# KiCad board temp sensor_panel.kicad_pcb (continued)
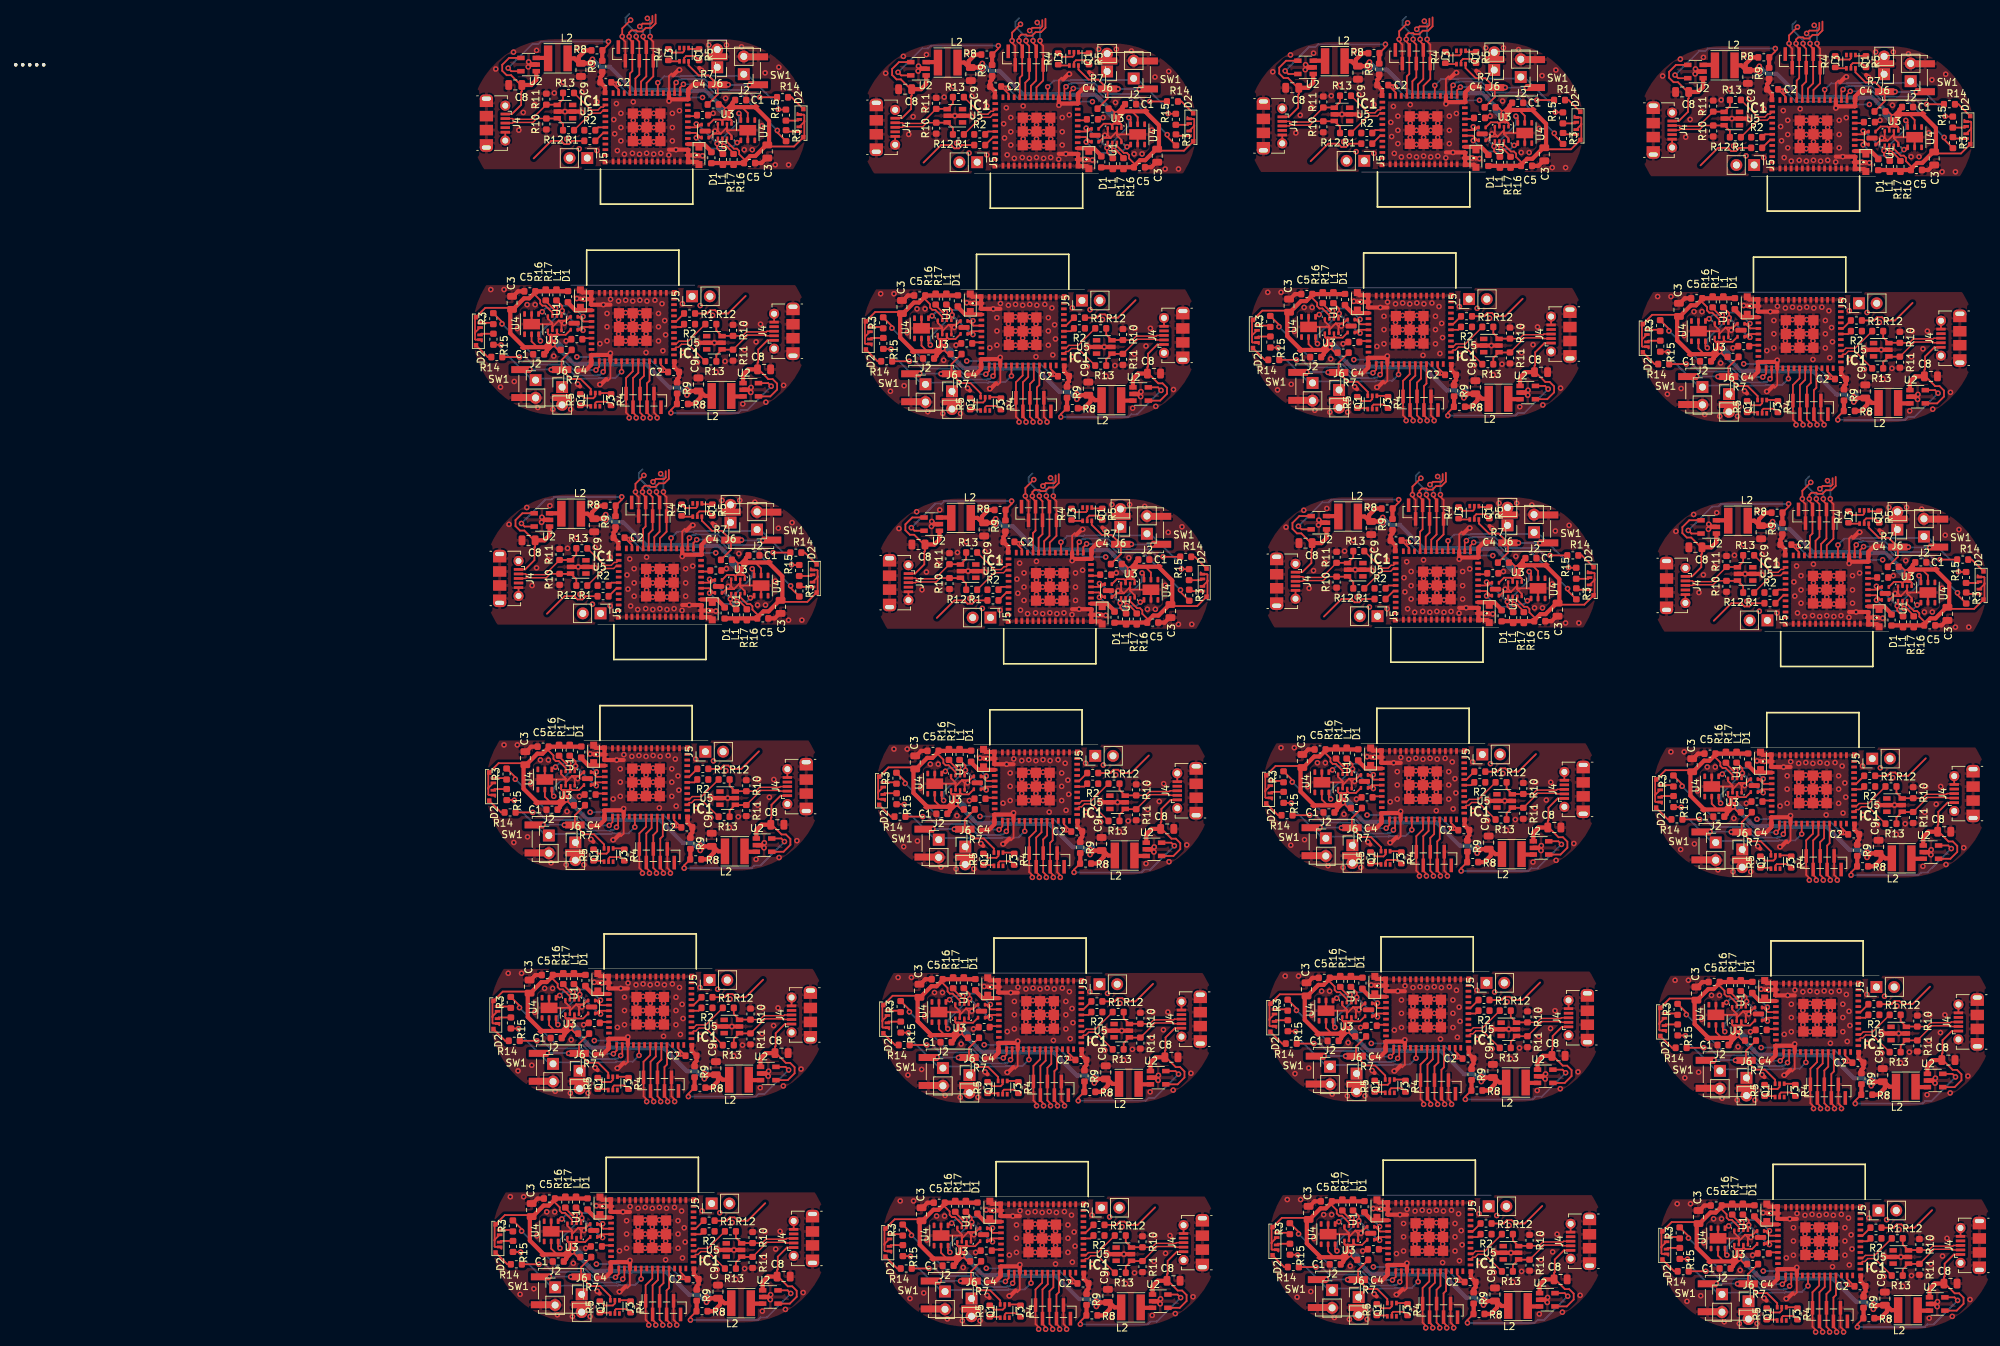
[diagram p0: board, top side]
## Nets (continued)
/Boot_Option: C2.1 C2#2.1 C2#3.1 C2#4.1 C2#5.1 C2#6.1 C2#7.1 C2#8.1 C2#9.1 C2#10.1 C2#11.1 C2#12.1 C2#13.1 C2#14.1 C2#15.1 C2#16.1 C2#17.1 C2#18.1 C2#19.1 C2#20.1 C2#21.1 C2#22.1 C2#23.1 C2#24.1 IC1.23 IC1#2.23 IC1#3.23 IC1#4.23 IC1#5.23 IC1#6.23 IC1#7.23 IC1#8.23 IC1#9.23 IC1#10.23 IC1#11.23 IC1#12.23 IC1#13.23 IC1#14.23 IC1#15.23 IC1#16.23 IC1#17.23 IC1#18.23 IC1#19.23 IC1#20.23 IC1#21.23 IC1#22.23 IC1#23.23 IC1#24.23 Q1.3 Q1#2.3 Q1#3.3 Q1#4.3 Q1#5.3 Q1#6.3 Q1#7.3 Q1#8.3 Q1#9.3 Q1#10.3 Q1#11.3 Q1#12.3 Q1#13.3 Q1#14.3 Q1#15.3 Q1#16.3 Q1#17.3 Q1#18.3 Q1#19.3 Q1#20.3 Q1#21.3 Q1#22.3 Q1#23.3 Q1#24.3
/D+: J4.3 J4#2.3 J4#3.3 J4#4.3 J4#5.3 J4#6.3 J4#7.3 J4#8.3 J4#9.3 J4#10.3 J4#11.3 J4#12.3 J4#13.3 J4#14.3 J4#15.3 J4#16.3 J4#17.3 J4#18.3 J4#19.3 J4#20.3 J4#21.3 J4#22.3 J4#23.3 J4#24.3 R10.1 R10#2.1 R10#3.1 R10#4.1 R10#5.1 R10#6.1 R10#7.1 R10#8.1 R10#9.1 R10#10.1 R10#11.1 R10#12.1 R10#13.1 R10#14.1 R10#15.1 R10#16.1 R10#17.1 R10#18.1 R10#19.1 R10#20.1 R10#21.1 R10#22.1 R10#23.1 R10#24.1 R12.1 R12#2.1 R12#3.1 R12#4.1 R12#5.1 R12#6.1 R12#7.1 R12#8.1 R12#9.1 R12#10.1 R12#11.1 R12#12.1 R12#13.1 R12#14.1 R12#15.1 R12#16.1 R12#17.1 R12#18.1 R12#19.1 R12#20.1 R12#21.1 R12#22.1 R12#23.1 R12#24.1 U5.6 U5#2.6 U5#3.6 U5#4.6 U5#5.6 U5#6.6 U5#7.6 U5#8.6 U5#9.6 U5#10.6 U5#11.6 U5#12.6 U5#13.6 U5#14.6 U5#15.6 U5#16.6 U5#17.6 U5#18.6 U5#19.6 U5#20.6 U5#21.6 U5#22.6 U5#23.6 U5#24.6
/D-: J4.2 J4#2.2 J4#3.2 J4#4.2 J4#5.2 J4#6.2 J4#7.2 J4#8.2 J4#9.2 J4#10.2 J4#11.2 J4#12.2 J4#13.2 J4#14.2 J4#15.2 J4#16.2 J4#17.2 J4#18.2 J4#19.2 J4#20.2 J4#21.2 J4#22.2 J4#23.2 J4#24.2 R11.2 R11#2.2 R11#3.2 R11#4.2 R11#5.2 R11#6.2 R11#7.2 R11#8.2 R11#9.2 R11#10.2 R11#11.2 R11#12.2 R11#13.2 R11#14.2 R11#15.2 R11#16.2 R11#17.2 R11#18.2 R11#19.2 R11#20.2 R11#21.2 R11#22.2 R11#23.2 R11#24.2 R13.1 R13#2.1 R13#3.1 R13#4.1 R13#5.1 R13#6.1 R13#7.1 R13#8.1 R13#9.1 R13#10.1 R13#11.1 R13#12.1 R13#13.1 R13#14.1 R13#15.1 R13#16.1 R13#17.1 R13#18.1 R13#19.1 R13#20.1 R13#21.1 R13#22.1 R13#23.1 R13#24.1 U5.4 U5#2.4 U5#3.4 U5#4.4 U5#5.4 U5#6.4 U5#7.4 U5#8.4 U5#9.4 U5#10.4 U5#11.4 U5#12.4 U5#13.4 U5#14.4 U5#15.4 U5#16.4 U5#17.4 U5#18.4 U5#19.4 U5#20.4 U5#21.4 U5#22.4 U5#23.4 U5#24.4
/DTR: J6.1 J6#2.1 J6#3.1 J6#4.1 J6#5.1 J6#6.1 J6#7.1 J6#8.1 J6#9.1 J6#10.1 J6#11.1 J6#12.1 J6#13.1 J6#14.1 J6#15.1 J6#16.1 J6#17.1 J6#18.1 J6#19.1 J6#20.1 J6#21.1 J6#22.1 J6#23.1 J6#24.1 Q1.4 Q1#2.4 Q1#3.4 Q1#4.4 Q1#5.4 Q1#6.4 Q1#7.4 Q1#8.4 Q1#9.4 Q1#10.4 Q1#11.4 Q1#12.4 Q1#13.4 Q1#14.4 Q1#15.4 Q1#16.4 Q1#17.4 Q1#18.4 Q1#19.4 Q1#20.4 Q1#21.4 Q1#22.4 Q1#23.4 Q1#24.4 R4.1 R4#2.1 R4#3.1 R4#4.1 R4#5.1 R4#6.1 R4#7.1 R4#8.1 R4#9.1 R4#10.1 R4#11.1 R4#12.1 R4#13.1 R4#14.1 R4#15.1 R4#16.1 R4#17.1 R4#18.1 R4#19.1 R4#20.1 R4#21.1 R4#22.1 R4#23.1 R4#24.1
/EN: C4.2 C4#2.2 C4#3.2 C4#4.2 C4#5.2 C4#6.2 C4#7.2 C4#8.2 C4#9.2 C4#10.2 C4#11.2 C4#12.2 C4#13.2 C4#14.2 C4#15.2 C4#16.2 C4#17.2 C4#18.2 C4#19.2 C4#20.2 C4#21.2 C4#22.2 C4#23.2 C4#24.2 IC1.8 IC1#2.8 IC1#3.8 IC1#4.8 IC1#5.8 IC1#6.8 IC1#7.8 IC1#8.8 IC1#9.8 IC1#10.8 IC1#11.8 IC1#12.8 IC1#13.8 IC1#14.8 IC1#15.8 IC1#16.8 IC1#17.8 IC1#18.8 IC1#19.8 IC1#20.8 IC1#21.8 IC1#22.8 IC1#23.8 IC1#24.8 Q1.6 Q1#2.6 Q1#3.6 Q1#4.6 Q1#5.6 Q1#6.6 Q1#7.6 Q1#8.6 Q1#9.6 Q1#10.6 Q1#11.6 Q1#12.6 Q1#13.6 Q1#14.6 Q1#15.6 Q1#16.6 Q1#17.6 Q1#18.6 Q1#19.6 Q1#20.6 Q1#21.6 Q1#22.6 Q1#23.6 Q1#24.6 R7.1 R7#2.1 R7#3.1 R7#4.1 R7#5.1 R7#6.1 R7#7.1 R7#8.1 R7#9.1 R7#10.1 R7#11.1 R7#12.1 R7#13.1 R7#14.1 R7#15.1 R7#16.1 R7#17.1 R7#18.1 R7#19.1 R7#20.1 R7#21.1 R7#22.1 R7#23.1 R7#24.1 SW1.2 SW1#2.2 SW1#3.2 SW1#4.2 SW1#5.2 SW1#6.2 SW1#7.2 SW1#8.2 SW1#9.2 SW1#10.2 SW1#11.2 SW1#12.2 SW1#13.2 SW1#14.2 SW1#15.2 SW1#16.2 SW1#17.2 SW1#18.2 SW1#19.2 SW1#20.2 SW1#21.2 SW1#22.2 SW1#23.2 SW1#24.2
/I37_pico: IC1.5 IC1#2.5 IC1#3.5 IC1#4.5 IC1#5.5 IC1#6.5 IC1#7.5 IC1#8.5 IC1#9.5 IC1#10.5 IC1#11.5 IC1#12.5 IC1#13.5 IC1#14.5 IC1#15.5 IC1#16.5 IC1#17.5 IC1#18.5 IC1#19.5 IC1#20.5 IC1#21.5 IC1#22.5 IC1#23.5 IC1#24.5 R16.1 R16#2.1 R16#3.1 R16#4.1 R16#5.1 R16#6.1 R16#7.1 R16#8.1 R16#9.1 R16#10.1 R16#11.1 R16#12.1 R16#13.1 R16#14.1 R16#15.1 R16#16.1 R16#17.1 R16#18.1 R16#19.1 R16#20.1 R16#21.1 R16#22.1 R16#23.1 R16#24.1 U1.3 U1#2.3 U1#3.3 U1#4.3 U1#5.3 U1#6.3 U1#7.3 U1#8.3 U1#9.3 U1#10.3 U1#11.3 U1#12.3 U1#13.3 U1#14.3 U1#15.3 U1#16.3 U1#17.3 U1#18.3 U1#19.3 U1#20.3 U1#21.3 U1#22.3 U1#23.3 U1#24.3 U3.3 U3#2.3 U3#3.3 U3#4.3 U3#5.3 U3#6.3 U3#7.3 U3#8.3 U3#9.3 U3#10.3 U3#11.3 U3#12.3 U3#13.3 U3#14.3 U3#15.3 U3#16.3 U3#17.3 U3#18.3 U3#19.3 U3#20.3 U3#21.3 U3#22.3 U3#23.3 U3#24.3 U4.1 U4#2.1 U4#3.1 U4#4.1 U4#5.1 U4#6.1 U4#7.1 U4#8.1 U4#9.1 U4#10.1 U4#11.1 U4#12.1 U4#13.1 U4#14.1 U4#15.1 U4#16.1 U4#17.1 U4#18.1 U4#19.1 U4#20.1 U4#21.1 U4#22.1 U4#23.1 U4#24.1
/I38_pico: IC1.6 IC1#2.6 IC1#3.6 IC1#4.6 IC1#5.6 IC1#6.6 IC1#7.6 IC1#8.6 IC1#9.6 IC1#10.6 IC1#11.6 IC1#12.6 IC1#13.6 IC1#14.6 IC1#15.6 IC1#16.6 IC1#17.6 IC1#18.6 IC1#19.6 IC1#20.6 IC1#21.6 IC1#22.6 IC1#23.6 IC1#24.6 R17.1 R17#2.1 R17#3.1 R17#4.1 R17#5.1 R17#6.1 R17#7.1 R17#8.1 R17#9.1 R17#10.1 R17#11.1 R17#12.1 R17#13.1 R17#14.1 R17#15.1 R17#16.1 R17#17.1 R17#18.1 R17#19.1 R17#20.1 R17#21.1 R17#22.1 R17#23.1 R17#24.1 U1.2 U1#2.2 U1#3.2 U1#4.2 U1#5.2 U1#6.2 U1#7.2 U1#8.2 U1#9.2 U1#10.2 U1#11.2 U1#12.2 U1#13.2 U1#14.2 U1#15.2 U1#16.2 U1#17.2 U1#18.2 U1#19.2 U1#20.2 U1#21.2 U1#22.2 U1#23.2 U1#24.2 U3.4 U3#2.4 U3#3.4 U3#4.4 U3#5.4 U3#6.4 U3#7.4 U3#8.4 U3#9.4 U3#10.4 U3#11.4 U3#12.4 U3#13.4 U3#14.4 U3#15.4 U3#16.4 U3#17.4 U3#18.4 U3#19.4 U3#20.4 U3#21.4 U3#22.4 U3#23.4 U3#24.4 U4.6 U4#2.6 U4#3.6 U4#4.6 U4#5.6 U4#6.6 U4#7.6 U4#8.6 U4#9.6 U4#10.6 U4#11.6 U4#12.6 U4#13.6 U4#14.6 U4#15.6 U4#16.6 U4#17.6 U4#18.6 U4#19.6 U4#20.6 U4#21.6 U4#22.6 U4#23.6 U4#24.6
/IO7_pico: IC1.27 IC1#2.27 IC1#3.27 IC1#4.27 IC1#5.27 IC1#6.27 IC1#7.27 IC1#8.27 IC1#9.27 IC1#10.27 IC1#11.27 IC1#12.27 IC1#13.27 IC1#14.27 IC1#15.27 IC1#16.27 IC1#17.27 IC1#18.27 IC1#19.27 IC1#20.27 IC1#21.27 IC1#22.27 IC1#23.27 IC1#24.27 R12.2 R12#2.2 R12#3.2 R12#4.2 R12#5.2 R12#6.2 R12#7.2 R12#8.2 R12#9.2 R12#10.2 R12#11.2 R12#12.2 R12#13.2 R12#14.2 R12#15.2 R12#16.2 R12#17.2 R12#18.2 R12#19.2 R12#20.2 R12#21.2 R12#22.2 R12#23.2 R12#24.2
/IO12_pico: IC1.19 IC1#2.19 IC1#3.19 IC1#4.19 IC1#5.19 IC1#6.19 IC1#7.19 IC1#8.19 IC1#9.19 IC1#10.19 IC1#11.19 IC1#12.19 IC1#13.19 IC1#14.19 IC1#15.19 IC1#16.19 IC1#17.19 IC1#18.19 IC1#19.19 IC1#20.19 IC1#21.19 IC1#22.19 IC1#23.19 IC1#24.19 J3.2 J3#2.2 J3#3.2 J3#4.2 J3#5.2 J3#6.2 J3#7.2 J3#8.2 J3#9.2 J3#10.2 J3#11.2 J3#12.2 J3#13.2 J3#14.2 J3#15.2 J3#16.2 J3#17.2 J3#18.2 J3#19.2 J3#20.2 J3#21.2 J3#22.2 J3#23.2 J3#24.2
/IO13_pico: IC1.20 IC1#2.20 IC1#3.20 IC1#4.20 IC1#5.20 IC1#6.20 IC1#7.20 IC1#8.20 IC1#9.20 IC1#10.20 IC1#11.20 IC1#12.20 IC1#13.20 IC1#14.20 IC1#15.20 IC1#16.20 IC1#17.20 IC1#18.20 IC1#19.20 IC1#20.20 IC1#21.20 IC1#22.20 IC1#23.20 IC1#24.20 J3.3 J3#2.3 J3#3.3 J3#4.3 J3#5.3 J3#6.3 J3#7.3 J3#8.3 J3#9.3 J3#10.3 J3#11.3 J3#12.3 J3#13.3 J3#14.3 J3#15.3 J3#16.3 J3#17.3 J3#18.3 J3#19.3 J3#20.3 J3#21.3 J3#22.3 J3#23.3 J3#24.3
/IO14_pico: IC1.18 IC1#2.18 IC1#3.18 IC1#4.18 IC1#5.18 IC1#6.18 IC1#7.18 IC1#8.18 IC1#9.18 IC1#10.18 IC1#11.18 IC1#12.18 IC1#13.18 IC1#14.18 IC1#15.18 IC1#16.18 IC1#17.18 IC1#18.18 IC1#19.18 IC1#20.18 IC1#21.18 IC1#22.18 IC1#23.18 IC1#24.18 J3.1 J3#2.1 J3#3.1 J3#4.1 J3#5.1 J3#6.1 J3#7.1 J3#8.1 J3#9.1 J3#10.1 J3#11.1 J3#12.1 J3#13.1 J3#14.1 J3#15.1 J3#16.1 J3#17.1 J3#18.1 J3#19.1 J3#20.1 J3#21.1 J3#22.1 J3#23.1 J3#24.1
/IO15_pico: IC1.21 IC1#2.21 IC1#3.21 IC1#4.21 IC1#5.21 IC1#6.21 IC1#7.21 IC1#8.21 IC1#9.21 IC1#10.21 IC1#11.21 IC1#12.21 IC1#13.21 IC1#14.21 IC1#15.21 IC1#16.21 IC1#17.21 IC1#18.21 IC1#19.21 IC1#20.21 IC1#21.21 IC1#22.21 IC1#23.21 IC1#24.21 J3.4 J3#2.4 J3#3.4 J3#4.4 J3#5.4 J3#6.4 J3#7.4 J3#8.4 J3#9.4 J3#10.4 J3#11.4 J3#12.4 J3#13.4 J3#14.4 J3#15.4 J3#16.4 J3#17.4 J3#18.4 J3#19.4 J3#20.4 J3#21.4 J3#22.4 J3#23.4 J3#24.4
/IO20_pico: IC1.26 IC1#2.26 IC1#3.26 IC1#4.26 IC1#5.26 IC1#6.26 IC1#7.26 IC1#8.26 IC1#9.26 IC1#10.26 IC1#11.26 IC1#12.26 IC1#13.26 IC1#14.26 IC1#15.26 IC1#16.26 IC1#17.26 IC1#18.26 IC1#19.26 IC1#20.26 IC1#21.26 IC1#22.26 IC1#23.26 IC1#24.26 R13.2 R13#2.2 R13#3.2 R13#4.2 R13#5.2 R13#6.2 R13#7.2 R13#8.2 R13#9.2 R13#10.2 R13#11.2 R13#12.2 R13#13.2 R13#14.2 R13#15.2 R13#16.2 R13#17.2 R13#18.2 R13#19.2 R13#20.2 R13#21.2 R13#22.2 R13#23.2 R13#24.2
/IO26_pico: IC1.16 IC1#2.16 IC1#3.16 IC1#4.16 IC1#5.16 IC1#6.16 IC1#7.16 IC1#8.16 IC1#9.16 IC1#10.16 IC1#11.16 IC1#12.16 IC1#13.16 IC1#14.16 IC1#15.16 IC1#16.16 IC1#17.16 IC1#18.16 IC1#19.16 IC1#20.16 IC1#21.16 IC1#22.16 IC1#23.16 IC1#24.16 R15.1 R15#2.1 R15#3.1 R15#4.1 R15#5.1 R15#6.1 R15#7.1 R15#8.1 R15#9.1 R15#10.1 R15#11.1 R15#12.1 R15#13.1 R15#14.1 R15#15.1 R15#16.1 R15#17.1 R15#18.1 R15#19.1 R15#20.1 R15#21.1 R15#22.1 R15#23.1 R15#24.1
/IO32_pico: IC1.12 IC1#2.12 IC1#3.12 IC1#4.12 IC1#5.12 IC1#6.12 IC1#7.12 IC1#8.12 IC1#9.12 IC1#10.12 IC1#11.12 IC1#12.12 IC1#13.12 IC1#14.12 IC1#15.12 IC1#16.12 IC1#17.12 IC1#18.12 IC1#19.12 IC1#20.12 IC1#21.12 IC1#22.12 IC1#23.12 IC1#24.12 R3.1 R3#2.1 R3#3.1 R3#4.1 R3#5.1 R3#6.1 R3#7.1 R3#8.1 R3#9.1 R3#10.1 R3#11.1 R3#12.1 R3#13.1 R3#14.1 R3#15.1 R3#16.1 R3#17.1 R3#18.1 R3#19.1 R3#20.1 R3#21.1 R3#22.1 R3#23.1 R3#24.1
/IO33_pico: IC1.13 IC1#2.13 IC1#3.13 IC1#4.13 IC1#5.13 IC1#6.13 IC1#7.13 IC1#8.13 IC1#9.13 IC1#10.13 IC1#11.13 IC1#12.13 IC1#13.13 IC1#14.13 IC1#15.13 IC1#16.13 IC1#17.13 IC1#18.13 IC1#19.13 IC1#20.13 IC1#21.13 IC1#22.13 IC1#23.13 IC1#24.13 R14.1 R14#2.1 R14#3.1 R14#4.1 R14#5.1 R14#6.1 R14#7.1 R14#8.1 R14#9.1 R14#10.1 R14#11.1 R14#12.1 R14#13.1 R14#14.1 R14#15.1 R14#16.1 R14#17.1 R14#18.1 R14#19.1 R14#20.1 R14#21.1 R14#22.1 R14#23.1 R14#24.1
/RTS: J6.2 J6#2.2 J6#3.2 J6#4.2 J6#5.2 J6#6.2 J6#7.2 J6#8.2 J6#9.2 J6#10.2 J6#11.2 J6#12.2 J6#13.2 J6#14.2 J6#15.2 J6#16.2 J6#17.2 J6#18.2 J6#19.2 J6#20.2 J6#21.2 J6#22.2 J6#23.2 J6#24.2 Q1.1 Q1#2.1 Q1#3.1 Q1#4.1 Q1#5.1 Q1#6.1 Q1#7.1 Q1#8.1 Q1#9.1 Q1#10.1 Q1#11.1 Q1#12.1 Q1#13.1 Q1#14.1 Q1#15.1 Q1#16.1 Q1#17.1 Q1#18.1 Q1#19.1 Q1#20.1 Q1#21.1 Q1#22.1 Q1#23.1 Q1#24.1 R5.1 R5#2.1 R5#3.1 R5#4.1 R5#5.1 R5#6.1 R5#7.1 R5#8.1 R5#9.1 R5#10.1 R5#11.1 R5#12.1 R5#13.1 R5#14.1 R5#15.1 R5#16.1 R5#17.1 R5#18.1 R5#19.1 R5#20.1 R5#21.1 R5#22.1 R5#23.1 R5#24.1
/RTX0: J5.2 J5#2.2 J5#3.2 J5#4.2 J5#5.2 J5#6.2 J5#7.2 J5#8.2 J5#9.2 J5#10.2 J5#11.2 J5#12.2 J5#13.2 J5#14.2 J5#15.2 J5#16.2 J5#17.2 J5#18.2 J5#19.2 J5#20.2 J5#21.2 J5#22.2 J5#23.2 J5#24.2 R2.2 R2#2.2 R2#3.2 R2#4.2 R2#5.2 R2#6.2 R2#7.2 R2#8.2 R2#9.2 R2#10.2 R2#11.2 R2#12.2 R2#13.2 R2#14.2 R2#15.2 R2#16.2 R2#17.2 R2#18.2 R2#19.2 R2#20.2 R2#21.2 R2#22.2 R2#23.2 R2#24.2
/TDX0: J5.1 J5#2.1 J5#3.1 J5#4.1 J5#5.1 J5#6.1 J5#7.1 J5#8.1 J5#9.1 J5#10.1 J5#11.1 J5#12.1 J5#13.1 J5#14.1 J5#15.1 J5#16.1 J5#17.1 J5#18.1 J5#19.1 J5#20.1 J5#21.1 J5#22.1 J5#23.1 J5#24.1 R1.2 R1#2.2 R1#3.2 R1#4.2 R1#5.2 R1#6.2 R1#7.2 R1#8.2 R1#9.2 R1#10.2 R1#11.2 R1#12.2 R1#13.2 R1#14.2 R1#15.2 R1#16.2 R1#17.2 R1#18.2 R1#19.2 R1#20.2 R1#21.2 R1#22.2 R1#23.2 R1#24.2
Net-(D2-Pad2): D2.2 D2#2.2 D2#3.2 D2#4.2 D2#5.2 D2#6.2 D2#7.2 D2#8.2 D2#9.2 D2#10.2 D2#11.2 D2#12.2 D2#13.2 D2#14.2 D2#15.2 D2#16.2 D2#17.2 D2#18.2 D2#19.2 D2#20.2 D2#21.2 D2#22.2 D2#23.2 D2#24.2 R3.2 R3#2.2 R3#3.2 R3#4.2 R3#5.2 R3#6.2 R3#7.2 R3#8.2 R3#9.2 R3#10.2 R3#11.2 R3#12.2 R3#13.2 R3#14.2 R3#15.2 R3#16.2 R3#17.2 R3#18.2 R3#19.2 R3#20.2 R3#21.2 R3#22.2 R3#23.2 R3#24.2
Net-(D2-Pad4): D2.4 D2#2.4 D2#3.4 D2#4.4 D2#5.4 D2#6.4 D2#7.4 D2#8.4 D2#9.4 D2#10.4 D2#11.4 D2#12.4 D2#13.4 D2#14.4 D2#15.4 D2#16.4 D2#17.4 D2#18.4 D2#19.4 D2#20.4 D2#21.4 D2#22.4 D2#23.4 D2#24.4 R15.2 R15#2.2 R15#3.2 R15#4.2 R15#5.2 R15#6.2 R15#7.2 R15#8.2 R15#9.2 R15#10.2 R15#11.2 R15#12.2 R15#13.2 R15#14.2 R15#15.2 R15#16.2 R15#17.2 R15#18.2 R15#19.2 R15#20.2 R15#21.2 R15#22.2 R15#23.2 R15#24.2
Net-(D2-Pad6): D2.6 D2#2.6 D2#3.6 D2#4.6 D2#5.6 D2#6.6 D2#7.6 D2#8.6 D2#9.6 D2#10.6 D2#11.6 D2#12.6 D2#13.6 D2#14.6 D2#15.6 D2#16.6 D2#17.6 D2#18.6 D2#19.6 D2#20.6 D2#21.6 D2#22.6 D2#23.6 D2#24.6 R14.2 R14#2.2 R14#3.2 R14#4.2 R14#5.2 R14#6.2 R14#7.2 R14#8.2 R14#9.2 R14#10.2 R14#11.2 R14#12.2 R14#13.2 R14#14.2 R14#15.2 R14#16.2 R14#17.2 R14#18.2 R14#19.2 R14#20.2 R14#21.2 R14#22.2 R14#23.2 R14#24.2
Net-(IC1-Pad30): IC1.30 IC1#2.30 IC1#3.30 IC1#4.30 IC1#5.30 IC1#6.30 IC1#7.30 IC1#8.30 IC1#9.30 IC1#10.30 IC1#11.30 IC1#12.30 IC1#13.30 IC1#14.30 IC1#15.30 IC1#16.30 IC1#17.30 IC1#18.30 IC1#19.30 IC1#20.30 IC1#21.30 IC1#22.30 IC1#23.30 IC1#24.30 R2.1 R2#2.1 R2#3.1 R2#4.1 R2#5.1 R2#6.1 R2#7.1 R2#8.1 R2#9.1 R2#10.1 R2#11.1 R2#12.1 R2#13.1 R2#14.1 R2#15.1 R2#16.1 R2#17.1 R2#18.1 R2#19.1 R2#20.1 R2#21.1 R2#22.1 R2#23.1 R2#24.1
Net-(IC1-Pad31): IC1.31 IC1#2.31 IC1#3.31 IC1#4.31 IC1#5.31 IC1#6.31 IC1#7.31 IC1#8.31 IC1#9.31 IC1#10.31 IC1#11.31 IC1#12.31 IC1#13.31 IC1#14.31 IC1#15.31 IC1#16.31 IC1#17.31 IC1#18.31 IC1#19.31 IC1#20.31 IC1#21.31 IC1#22.31 IC1#23.31 IC1#24.31 R1.1 R1#2.1 R1#3.1 R1#4.1 R1#5.1 R1#6.1 R1#7.1 R1#8.1 R1#9.1 R1#10.1 R1#11.1 R1#12.1 R1#13.1 R1#14.1 R1#15.1 R1#16.1 R1#17.1 R1#18.1 R1#19.1 R1#20.1 R1#21.1 R1#22.1 R1#23.1 R1#24.1
Net-(L2-Pad1): L2.1 L2#2.1 L2#3.1 L2#4.1 L2#5.1 L2#6.1 L2#7.1 L2#8.1 L2#9.1 L2#10.1 L2#11.1 L2#12.1 L2#13.1 L2#14.1 L2#15.1 L2#16.1 L2#17.1 L2#18.1 L2#19.1 L2#20.1 L2#21.1 L2#22.1 L2#23.1 L2#24.1 U2.3 U2#2.3 U2#3.3 U2#4.3 U2#5.3 U2#6.3 U2#7.3 U2#8.3 U2#9.3 U2#10.3 U2#11.3 U2#12.3 U2#13.3 U2#14.3 U2#15.3 U2#16.3 U2#17.3 U2#18.3 U2#19.3 U2#20.3 U2#21.3 U2#22.3 U2#23.3 U2#24.3
Net-(Q1-Pad2): Q1.2 Q1#2.2 Q1#3.2 Q1#4.2 Q1#5.2 Q1#6.2 Q1#7.2 Q1#8.2 Q1#9.2 Q1#10.2 Q1#11.2 Q1#12.2 Q1#13.2 Q1#14.2 Q1#15.2 Q1#16.2 Q1#17.2 Q1#18.2 Q1#19.2 Q1#20.2 Q1#21.2 Q1#22.2 Q1#23.2 Q1#24.2 R4.2 R4#2.2 R4#3.2 R4#4.2 R4#5.2 R4#6.2 R4#7.2 R4#8.2 R4#9.2 R4#10.2 R4#11.2 R4#12.2 R4#13.2 R4#14.2 R4#15.2 R4#16.2 R4#17.2 R4#18.2 R4#19.2 R4#20.2 R4#21.2 R4#22.2 R4#23.2 R4#24.2
Net-(Q1-Pad5): Q1.5 Q1#2.5 Q1#3.5 Q1#4.5 Q1#5.5 Q1#6.5 Q1#7.5 Q1#8.5 Q1#9.5 Q1#10.5 Q1#11.5 Q1#12.5 Q1#13.5 Q1#14.5 Q1#15.5 Q1#16.5 Q1#17.5 Q1#18.5 Q1#19.5 Q1#20.5 Q1#21.5 Q1#22.5 Q1#23.5 Q1#24.5 R5.2 R5#2.2 R5#3.2 R5#4.2 R5#5.2 R5#6.2 R5#7.2 R5#8.2 R5#9.2 R5#10.2 R5#11.2 R5#12.2 R5#13.2 R5#14.2 R5#15.2 R5#16.2 R5#17.2 R5#18.2 R5#19.2 R5#20.2 R5#21.2 R5#22.2 R5#23.2 R5#24.2
Net-(R8-Pad1): R8.1 R8#2.1 R8#3.1 R8#4.1 R8#5.1 R8#6.1 R8#7.1 R8#8.1 R8#9.1 R8#10.1 R8#11.1 R8#12.1 R8#13.1 R8#14.1 R8#15.1 R8#16.1 R8#17.1 R8#18.1 R8#19.1 R8#20.1 R8#21.1 R8#22.1 R8#23.1 R8#24.1 R9.2 R9#2.2 R9#3.2 R9#4.2 R9#5.2 R9#6.2 R9#7.2 R9#8.2 R9#9.2 R9#10.2 R9#11.2 R9#12.2 R9#13.2 R9#14.2 R9#15.2 R9#16.2 R9#17.2 R9#18.2 R9#19.2 R9#20.2 R9#21.2 R9#22.2 R9#23.2 R9#24.2 U2.5 U2#2.5 U2#3.5 U2#4.5 U2#5.5 U2#6.5 U2#7.5 U2#8.5 U2#9.5 U2#10.5 U2#11.5 U2#12.5 U2#13.5 U2#14.5 U2#15.5 U2#16.5 U2#17.5 U2#18.5 U2#19.5 U2#20.5 U2#21.5 U2#22.5 U2#23.5 U2#24.5

Pads without a net: IC1 4 7 9 10 15 17 22 24 25 28 29 32 33 34 35; IC1#2 4 7 9 10 15 17 22 24 25 28 29 32 33 34 35; IC1#3 4 7 9 10 15 17 22 24 25 28 29 32 33 34 35; IC1#4 4 7 9 10 15 17 22 24 25 28 29 32 33 34 35; IC1#5 4 7 9 10 15 17 22 24 25 28 29 32 33 34 35; IC1#6 4 7 9 10 15 17 22 24 25 28 29 32 33 34 35; IC1#7 4 7 9 10 15 17 22 24 25 28 29 32 33 34 35; IC1#8 4 7 9 10 15 17 22 24 25 28 29 32 33 34 35; IC1#9 4 7 9 10 15 17 22 24 25 28 29 32 33 34 35; IC1#10 4 7 9 10 15 17 22 24 25 28 29 32 33 34 35; IC1#11 4 7 9 10 15 17 22 24 25 28 29 32 33 34 35; IC1#12 4 7 9 10 15 17 22 24 25 28 29 32 33 34 35; IC1#13 4 7 9 10 15 17 22 24 25 28 29 32 33 34 35; IC1#14 4 7 9 10 15 17 22 24 25 28 29 32 33 34 35; IC1#15 4 7 9 10 15 17 22 24 25 28 29 32 33 34 35; IC1#16 4 7 9 10 15 17 22 24 25 28 29 32 33 34 35; IC1#17 4 7 9 10 15 17 22 24 25 28 29 32 33 34 35; IC1#18 4 7 9 10 15 17 22 24 25 28 29 32 33 34 35; IC1#19 4 7 9 10 15 17 22 24 25 28 29 32 33 34 35; IC1#20 4 7 9 10 15 17 22 24 25 28 29 32 33 34 35; IC1#21 4 7 9 10 15 17 22 24 25 28 29 32 33 34 35; IC1#22 4 7 9 10 15 17 22 24 25 28 29 32 33 34 35; IC1#23 4 7 9 10 15 17 22 24 25 28 29 32 33 34 35; IC1#24 4 7 9 10 15 17 22 24 25 28 29 32 33 34 35; J3 6; J3#2 6; J3#3 6; J3#4 6; J3#5 6; J3#6 6; J3#7 6; J3#8 6; J3#9 6; J3#10 6; J3#11 6; J3#12 6; J3#13 6; J3#14 6; J3#15 6; J3#16 6; J3#17 6; J3#18 6; J3#19 6; J3#20 6; J3#21 6; J3#22 6; J3#23 6; J3#24 6; J4 4; J4#2 4; J4#3 4; J4#4 4; J4#5 4; J4#6 4; J4#7 4; J4#8 4; J4#9 4; J4#10 4; J4#11 4; J4#12 4; J4#13 4; J4#14 4; J4#15 4; J4#16 4; J4#17 4; J4#18 4; J4#19 4; J4#20 4; J4#21 4; J4#22 4; J4#23 4; J4#24 4; U4 3 4; U4#2 3 4; U4#3 3 4; U4#4 3 4; U4#5 3 4; U4#6 3 4; U4#7 3 4; U4#8 3 4; U4#9 3 4; U4#10 3 4; U4#11 3 4; U4#12 3 4; U4#13 3 4; U4#14 3 4; U4#15 3 4; U4#16 3 4; U4#17 3 4; U4#18 3 4; U4#19 3 4; U4#20 3 4; U4#21 3 4; U4#22 3 4; U4#23 3 4; U4#24 3 4; U5 1 3; U5#2 1 3; U5#3 1 3; U5#4 1 3; U5#5 1 3; U5#6 1 3; U5#7 1 3; U5#8 1 3; U5#9 1 3; U5#10 1 3; U5#11 1 3; U5#12 1 3; U5#13 1 3; U5#14 1 3; U5#15 1 3; U5#16 1 3; U5#17 1 3; U5#18 1 3; U5#19 1 3; U5#20 1 3; U5#21 1 3; U5#22 1 3; U5#23 1 3; U5#24 1 3

## Via types
v1: diameter 0.8, hole 0.4, Top to Bottom, 2328 vias

## Routing (per net, layer and track width the routed paths; a pad name or vN(x,y) marks a point on that pad's centre or on a via; arc(x,y) is an arc through that point)
+3V3: length 2132.4
  Top w0.25: U4.5 -5.59,122.84 -4.67,121.92 -3.33,121.92 -2.96,122.3 -2.96,123.61 -3.26,123.91 ; -7.13,121.92 -6.69,121.92 ; U1.1 -0.72,123.79 -1.7,123.79 -1.96,124.05 -1.96,124.41 -1.96,123.91 -2.09,123.79 -3.14,123.79 -3.26,123.91 ; -3.26,123.91 U3.8 ; C3.1 -8.61,127.65 -12.21,127.65 D2.1 -13.68,126.18 -13.68,123.98 ; v1(-2.54,122.39) -1.78,121.63 R7.2 ; -5.21,129.6 -4.36,128.75 -4.36,128.27 -4.04,127.95 -3.6,127.95 -2.61,126.96 U3.2 ; -13.68,123.98 -13.68,123.16 -13.61,123.09 D2.5 -12.69,122.82 ; -13.68,123.98 -13.68,124.1 D2.3 ; 26.89,156.47 26.46,156.47 ; U4#2.5 25.35,155.55 24.43,156.47 23.1,156.47 22.72,156.1 22.72,154.78 23.02,154.48 ; U3#2.8 23.02,154.48 ; 23.02,154.48 22.9,154.6 21.85,154.6 21.72,154.48 U3#2.6 21.72,154.34 21.46,154.6 20.48,154.6 U1#2.1 ; C3#2.1 28.37,150.75 31.98,150.75 D2#2.1 33.45,152.22 33.45,154.41 ; 33.45,154.41 33.45,154.29 D2#2.3 ; 33.45,154.41 33.45,155.23 33.37,155.31 D2#2.5 32.46,155.57 ; R7#2.2 21.54,156.76 v1(22.3,156) ; U3#2.2 22.38,151.43 23.36,150.44 23.8,150.44 24.12,150.12 24.12,149.64 24.97,148.79 ; 48.67,121.32 49.11,121.32 ; U4#4.5 50.21,122.24 51.13,121.32 52.47,121.32 52.84,121.7 52.84,123.01 52.54,123.31 ; U3#4.8 52.54,123.31 ; 52.54,123.31 52.66,123.19 53.71,123.19 53.84,123.31 U3#4.6 53.84,123.45 54.1,123.19 55.08,123.19 U1#4.1 ; C3#4.1 47.19,127.05 43.59,127.05 D2#4.1 42.12,125.58 42.12,123.38 ; 42.12,123.38 42.12,123.5 D2#4.3 ; 42.12,123.38 42.12,122.56 42.19,122.49 D2#4.5 43.11,122.22 ; R7#4.2 54.02,121.03 v1(53.26,121.79) ; U3#4.2 53.19,126.36 52.2,127.35 51.76,127.35 51.44,127.67 51.44,128.15 50.59,129 ; 82.69,155.87 82.26,155.87 ; U4#3.5 81.15,154.95 80.23,155.87 78.9,155.87 78.52,155.5 78.52,154.18 78.83,153.88 ; 78.83,153.88 78.7,154 77.65,154 77.52,153.88 U3#3.6 77.52,153.74 77.26,154 76.28,154 U1#3.1 ; 78.83,153.88 78.83,153.38 ; C3#3.1 84.17,150.15 87.78,150.15 D2#3.1 89.25,151.62 89.25,153.81 ; 89.25,153.81 89.25,153.69 D2#3.3 ; 89.25,153.81 89.25,154.63 89.17,154.71 D2#3.5 88.26,154.97 ; v1(78.1,155.4) 77.34,156.16 R7#3.2 ; U3#3.2 78.17,150.83 79.16,149.84 79.6,149.84 79.92,149.52 79.92,149.04 80.77,148.19 ; 104.07,121.52 104.51,121.52 ; U4#6.5 105.61,122.44 106.53,121.52 107.87,121.52 108.24,121.9 108.24,123.21 107.94,123.51 ; U3#6.8 107.94,123.51 ; 107.94,123.51 108.06,123.39 109.11,123.39 109.24,123.51 U3#6.6 109.24,123.65 109.5,123.39 110.48,123.39 U1#6.1 ; C3#6.1 102.59,127.25 98.99,127.25 D2#6.1 97.52,125.78 97.52,123.58 ; 97.52,123.58 97.52,123.7 D2#6.3 ; 97.52,123.58 97.52,122.76 97.59,122.69 D2#6.5 98.51,122.42 ; R7#6.2 109.42,121.23 v1(108.66,121.99) ; U3#6.2 108.59,126.56 107.6,127.55 107.16,127.55 106.84,127.87 106.84,128.35 105.99,129.2 ; 138.09,156.07 137.66,156.07 ; U4#5.5 136.55,155.15 135.63,156.07 134.3,156.07 133.92,155.7 133.92,154.38 134.23,154.08 ; 134.23,154.08 134.1,154.2 133.05,154.2 132.93,154.08 U3#5.6 132.93,153.94 132.66,154.2 131.68,154.2 U1#5.1 ; 134.23,154.08 134.23,153.58 ; C3#5.1 139.57,150.35 143.18,150.35 D2#5.1 144.65,151.82 144.65,154.01 ; 144.65,154.01 144.65,153.89 D2#5.3 ; 144.65,154.01 144.65,154.83 144.57,154.91 D2#5.5 143.66,155.17 ; v1(133.5,155.6) 132.74,156.36 R7#5.2 ; U3#5.2 133.57,151.03 134.56,150.04 135,150.04 135.32,149.72 135.32,149.24 136.17,148.39 ; 159.87,120.92 160.31,120.92 ; U3#8.8 163.74,122.91 ; 163.74,122.91 163.87,122.79 164.91,122.79 165.04,122.91 U3#8.6 165.04,123.05 165.3,122.79 166.28,122.79 U1#8.1 ; 163.74,122.91 164.04,122.61 164.04,121.3 163.67,120.92 162.33,120.92 161.41,121.84 U4#8.5 ; 153.32,122.98 153.32,123.1 D2#8.3 ; 153.32,122.98 153.32,125.18 154.79,126.65 158.39,126.65 C3#8.1 ; 153.32,122.98 153.32,122.16 153.39,122.09 D2#8.5 154.31,121.82 ; v1(164.46,121.39) 165.22,120.63 R7#8.2 ; 161.79,128.6 162.64,127.75 162.64,127.27 162.96,126.95 163.4,126.95 164.39,125.96 U3#8.2 ; U3#7.8 190.02,153.48 ; 190.02,153.48 189.9,153.6 188.85,153.6 188.73,153.48 U3#7.6 188.73,153.34 188.46,153.6 187.48,153.6 U1#7.1 ; 190.02,153.48 189.72,153.78 189.72,155.1 190.1,155.47 191.43,155.47 192.35,154.55 U4#7.5 ; 193.89,155.47 193.46,155.47 ; C3#7.1 195.37,149.75 198.98,149.75 D2#7.1 200.45,151.22 200.45,153.41 ; v1(189.3,155) 188.54,155.76 R7#7.2 ; 199.46,154.57 D2#7.5 200.37,154.31 200.45,154.23 200.45,153.41 ; 200.45,153.41 200.45,153.29 D2#7.3 ; 191.97,147.79 191.12,148.64 191.12,149.12 190.8,149.44 190.36,149.44 189.38,150.43 U3#7.2 ; -5.23,56.72 -4.79,56.72 ; U4#10.5 -3.69,57.64 -2.77,56.72 -1.43,56.72 -1.06,57.1 -1.06,58.41 -1.36,58.71 ; U3#10.8 -1.36,58.71 ; -1.36,58.71 -1.24,58.59 -0.19,58.59 -0.06,58.71 U3#10.6 -0.06,58.85 0.2,58.59 1.18,58.59 U1#10.1 ; C3#10.1 -6.71,62.45 -10.31,62.45 D2#10.1 -11.78,60.98 -11.78,58.78 ; -11.78,58.78 -11.78,58.9 D2#10.3 ; -11.78,58.78 -11.78,57.96 -11.71,57.89 D2#10.5 -10.79,57.62 ; R7#10.2 0.12,56.43 v1(-0.64,57.19) ; U3#10.2 -0.71,61.76 -1.7,62.75 -2.14,62.75 -2.46,63.07 -2.46,63.55 -3.31,64.4 ; 28.79,91.27 28.36,91.27 ; U4#9.5 27.25,90.35 26.33,91.27 25,91.27 24.62,90.9 24.62,89.58 24.92,89.28 ; 24.92,89.28 24.8,89.4 23.75,89.4 23.62,89.28 U3#9.6 23.62,89.14 23.36,89.4 22.38,89.4 U1#9.1 ; 24.92,89.28 U3#9.8 ; C3#9.1 30.27,85.55 33.88,85.55 D2#9.1 35.35,87.02 35.35,89.21 ; 35.35,89.21 35.35,89.09 D2#9.3 ; 35.35,89.21 35.35,90.03 35.27,90.11 D2#9.5 34.36,90.37 ; v1(24.2,90.8) 23.44,91.56 R7#9.2 ; U3#9.2 24.27,86.23 25.26,85.24 25.7,85.24 26.02,84.92 26.02,84.44 26.87,83.59 ; 50.57,56.12 51.01,56.12 ; 54.44,58.61 54.44,58.11 ; 54.44,58.11 54.56,57.99 55.61,57.99 55.74,58.11 55.74,58.61 55.74,58.25 56,57.99 56.98,57.99 U1#14.1 ; 54.44,58.11 54.74,57.81 54.74,56.5 54.37,56.12 53.03,56.12 52.11,57.04 U4#13.5 ; 44.02,58.18 44.02,58.3 D2#12.3 ; 44.02,58.18 44.02,60.38 D2#12.1 45.49,61.85 49.09,61.85 C3#13.1 ; 44.02,58.18 44.02,57.36 44.09,57.29 D2#12.5 45.01,57.02 ; v1(55.16,56.59) 55.92,55.83 R7#13.2 ; 52.49,63.8 53.34,62.95 53.34,62.47 53.66,62.15 54.1,62.15 55.09,61.16 U3#14.2 ; U3#13.8 80.72,88.68 ; 80.72,88.68 80.6,88.8 79.55,88.8 79.42,88.68 U3#13.6 79.42,88.54 79.16,88.8 78.18,88.8 U1#13.1 ; 80.72,88.68 80.42,88.98 80.42,90.3 80.8,90.67 82.13,90.67 83.05,89.75 U4#12.5 ; 84.59,90.67 84.16,90.67 ; C3#12.1 86.07,84.95 89.68,84.95 D2#11.1 91.15,86.42 91.15,88.61 ; v1(80,90.2) 79.24,90.96 R7#12.2 ; 90.16,89.77 D2#11.5 91.07,89.51 91.15,89.43 91.15,88.61 ; 91.15,88.61 91.15,88.49 D2#11.3 ; 82.67,82.99 81.82,83.84 81.82,84.32 81.5,84.64 81.06,84.64 80.08,85.63 U3#13.2 ; 105.97,56.32 106.41,56.32 ; 109.84,58.31 109.96,58.19 111.01,58.19 111.14,58.31 U3#16.6 111.14,58.45 111.4,58.19 112.38,58.19 U1#16.1 ; 109.84,58.31 109.84,58.81 ; 109.84,58.31 110.14,58.01 110.14,56.7 109.77,56.32 108.43,56.32 107.51,57.24 U4#15.5 ; 99.42,58.38 99.42,60.58 D2#14.1 100.89,62.05 104.49,62.05 C3#15.1 ; 99.42,58.38 99.42,58.5 D2#14.3 ; 99.42,58.38 99.42,57.56 99.49,57.49 D2#14.5 100.41,57.22 ; R7#15.2 111.32,56.03 v1(110.56,56.79) ; 107.89,64 108.74,63.15 108.74,62.67 109.06,62.35 109.5,62.35 110.49,61.36 U3#16.2 ; U3#15.8 136.12,88.88 ; 136.12,88.88 136,89 134.95,89 134.82,88.88 U3#15.6 134.82,88.74 134.56,89 133.58,89 U1#15.1 ; 136.12,88.88 135.82,89.18 135.82,90.5 136.2,90.87 137.53,90.87 138.45,89.95 U4#14.5 ; 139.99,90.87 139.56,90.87 ; C3#14.1 141.47,85.15 145.08,85.15 D2#13.1 146.55,86.62 146.55,88.81 ; v1(135.4,90.4) 134.64,91.16 R7#14.2 ; 146.55,88.81 146.55,89.63 146.47,89.71 D2#13.5 145.56,89.97 ; 146.55,88.81 146.55,88.69 D2#13.3 ; U3#15.2 135.48,85.83 136.46,84.84 136.9,84.84 137.22,84.52 137.22,84.04 138.07,83.19 ; 165.64,57.71 165.76,57.59 166.81,57.59 166.94,57.71 U3#12.6 166.94,57.85 167.2,57.59 168.18,57.59 U1#12.1 ; 165.64,57.71 U3#12.8 ; 165.64,57.71 165.94,57.41 165.94,56.1 165.57,55.72 164.23,55.72 163.31,56.64 U4#11.5 ; 161.77,55.72 162.21,55.72 ; 155.22,57.78 155.22,59.98 D2#16.1 156.69,61.45 160.29,61.45 C3#11.1 ; 155.22,57.78 155.22,57.9 D2#16.3 ; 155.22,57.78 155.22,56.96 155.29,56.89 D2#16.5 156.21,56.62 ; v1(166.36,56.19) 167.12,55.43 R7#11.2 ; U3#12.2 166.29,60.76 165.3,61.75 164.86,61.75 164.54,62.07 164.54,62.55 163.69,63.4 ; U3#11.8 191.93,88.28 ; 191.93,88.28 191.8,88.4 190.75,88.4 190.62,88.28 U3#11.6 190.62,88.14 190.36,88.4 189.38,88.4 U1#11.1 ; 191.93,88.28 191.62,88.58 191.62,89.9 192,90.27 193.33,90.27 194.25,89.35 U4#16.5 ; 195.79,90.27 195.36,90.27 ; C3#16.1 197.27,84.55 200.88,84.55 D2#15.1 202.35,86.02 202.35,88.21 ; v1(191.2,89.8) 190.44,90.56 R7#16.2 ; 193.87,82.59 193.02,83.44 193.02,83.92 192.7,84.24 192.26,84.24 191.27,85.23 U3#11.2 ; 202.35,88.21 202.35,89.03 202.27,89.11 D2#15.5 201.36,89.37 ; 202.35,88.21 202.35,88.09 D2#15.3 ; -4.63,24.02 -4.19,24.02 ; U4#18.5 -3.09,24.94 -2.17,24.02 -0.83,24.02 -0.46,24.4 -0.46,25.71 -0.76,26.01 ; -0.76,26.01 -0.64,25.89 0.41,25.89 0.54,26.01 0.54,26.51 0.54,26.15 0.8,25.89 1.78,25.89 U1#18.1 ; -0.76,26.01 U3#18.8 ; C3#18.1 -6.11,29.75 -9.71,29.75 D2#19.1 -11.18,28.28 -11.18,26.08 ; -11.18,26.08 -11.18,26.2 D2#19.3 ; -11.18,26.08 -11.18,25.26 -11.11,25.19 D2#19.5 -10.19,24.92 ; U3#20.8 55.04,25.41 ; 55.04,25.41 55.16,25.29 56.21,25.29 56.34,25.41 U3#20.6 56.34,25.55 56.6,25.29 57.58,25.29 U1#20.1 ; 55.04,25.41 55.34,25.11 55.34,23.8 54.97,23.42 53.63,23.42 52.71,24.34 U4#20.5 ; 51.17,23.42 51.61,23.42 ; 44.62,25.48 44.62,25.6 D2#20.3 ; 44.62,25.48 44.62,27.68 D2#20.1 46.09,29.15 49.69,29.15 C3#20.1 ; 44.62,25.48 44.62,24.66 44.69,24.59 D2#20.5 45.61,24.32 ; R7#20.2 56.52,23.13 v1(55.76,23.89) ; 53.09,31.1 53.94,30.25 53.94,29.77 54.26,29.45 54.7,29.45 55.69,28.46 U3#20.2 ; 106.57,23.62 107.01,23.62 ; U4#17.5 108.11,24.54 109.03,23.62 110.37,23.62 110.74,24 110.74,25.31 110.44,25.61 ; 110.44,25.61 110.56,25.49 111.61,25.49 111.74,25.61 U3#17.6 111.74,25.75 112,25.49 112.98,25.49 U1#17.1 ; 110.44,25.61 U3#17.8 ; 100.02,25.68 100.02,27.88 D2#18.1 101.49,29.35 105.09,29.35 C3#17.1 ; 100.02,25.68 100.02,24.86 100.09,24.79 D2#18.5 101.01,24.52 ; 100.02,25.68 100.02,25.8 D2#18.3 ; 108.49,31.3 109.34,30.45 109.34,29.97 109.66,29.65 110.1,29.65 111.09,28.66 U3#17.2 ; R7#17.2 111.92,23.33 v1(111.16,24.09) ; 166.24,25.01 166.37,24.89 167.41,24.89 167.54,25.01 U3#19.6 167.54,25.15 167.8,24.89 168.78,24.89 U1#19.1 ; 166.24,25.01 U3#19.8 ; 166.24,25.01 166.54,24.71 166.54,23.4 166.17,23.02 164.83,23.02 163.91,23.94 U4#19.5 ; 162.37,23.02 162.81,23.02 ; 155.82,25.08 155.82,27.28 157.29,28.75 160.89,28.75 C3#19.1 ; 155.82,25.08 155.82,24.26 155.89,24.19 D2#17.5 156.81,23.92 ; 155.82,25.08 155.82,25.2 D2#17.3 ; v1(166.96,23.49) 167.72,22.73 R7#19.2 ; U3#19.2 166.89,28.06 165.9,29.05 165.46,29.05 165.14,29.37 165.14,29.85 164.29,30.7 ; -2.71,31.7 -1.86,30.85 -1.86,30.37 -1.54,30.05 -1.1,30.05 -0.11,29.06 U3#18.2 ; R7#18.2 0.72,23.73 v1(-0.04,24.49) ; 110.74,-6.39 111.04,-6.69 111.04,-8 110.67,-8.38 109.33,-8.38 108.41,-7.46 U4#22.5 ; 110.74,-6.39 U3#22.8 ; 110.74,-6.39 110.86,-6.51 111.91,-6.51 112.04,-6.39 U3#22.6 112.04,-6.25 112.3,-6.51 113.28,-6.51 U1#22.1 ; C3#21.1 105.39,-2.65 101.79,-2.65 100.32,-4.12 100.32,-6.32 ; 100.32,-6.32 100.32,-7.14 100.39,-7.21 D2#23.5 101.31,-7.48 ; 100.32,-6.32 100.32,-6.2 D2#23.3 ; D2#24.3 44.92,-6.4 44.92,-6.52 ; U3#24.2 55.99,-3.54 55,-2.55 54.56,-2.55 54.24,-2.23 54.24,-1.75 53.39,-0.9 ; C3#24.1 49.99,-2.85 46.39,-2.85 D2#24.1 44.92,-4.32 44.92,-6.52 ; 106.87,-8.38 107.31,-8.38 ; -4.33,-7.98 -3.89,-7.98 ; U3#21.8 -0.46,-5.99 ; -0.46,-5.99 -0.34,-6.11 0.71,-6.11 0.84,-5.99 U3#21.6 0.84,-5.85 1.1,-6.11 2.08,-6.11 U1#21.1 ; -0.46,-5.99 -0.16,-6.29 -0.16,-7.6 -0.53,-7.98 -1.87,-7.98 -2.79,-7.06 U4#23.5 ; -10.88,-5.92 -10.88,-3.72 -9.41,-2.25 -5.81,-2.25 C3#22.1 ; -10.88,-5.92 -10.88,-5.8 D2#22.3 ; -10.88,-5.92 -10.88,-6.74 -10.81,-6.81 D2#22.5 -9.89,-7.08 ; U3#24.8 55.34,-6.59 ; 55.34,-6.59 55.47,-6.71 56.51,-6.71 56.64,-6.59 U3#24.6 56.64,-6.45 56.9,-6.71 57.88,-6.71 U1#24.1 ; 55.34,-6.59 55.64,-6.89 55.64,-8.2 55.27,-8.58 53.93,-8.58 53.01,-7.66 U4#24.5 ; 51.47,-8.58 51.91,-8.58 ; R7#24.2 56.82,-8.87 v1(56.06,-8.11) ; 44.92,-6.52 44.92,-7.34 44.99,-7.41 D2#24.5 45.91,-7.68 ; 166.54,-6.99 166.67,-7.11 167.71,-7.11 167.84,-6.99 U3#23.6 167.84,-6.85 168.1,-7.11 169.08,-7.11 U1#23.1 ; 166.54,-6.99 U3#23.8 ; 166.54,-6.99 166.84,-7.29 166.84,-8.6 166.47,-8.98 165.13,-8.98 164.21,-8.06 U4#21.5 ; 162.67,-8.98 163.11,-8.98 ; v1(167.26,-8.51) 168.02,-9.27 R7#21.2 ; U3#23.2 167.19,-3.94 166.2,-2.95 165.76,-2.95 165.44,-2.63 165.44,-2.15 164.59,-1.3 ; 156.12,-6.92 156.12,-4.72 D2#21.1 157.59,-3.25 161.19,-3.25 C3#23.1 ; 156.12,-6.92 156.12,-6.8 D2#21.3 ; 156.12,-6.92 156.12,-7.74 156.19,-7.81 D2#21.5 157.11,-8.08 ; -2.41,-0.3 -1.56,-1.15 -1.56,-1.63 -1.24,-1.95 -0.8,-1.95 0.19,-2.94 U3#21.2 ; R7#23.2 1.02,-8.27 v1(0.26,-7.51) ; R7#22.2 112.22,-8.67 v1(111.46,-7.91) ; 108.79,-0.7 109.64,-1.55 109.64,-2.03 109.96,-2.35 110.4,-2.35 111.39,-3.34 U3#22.2